# Altium PCB RT_SUPER_C__HOST.pcbdoc (continued)
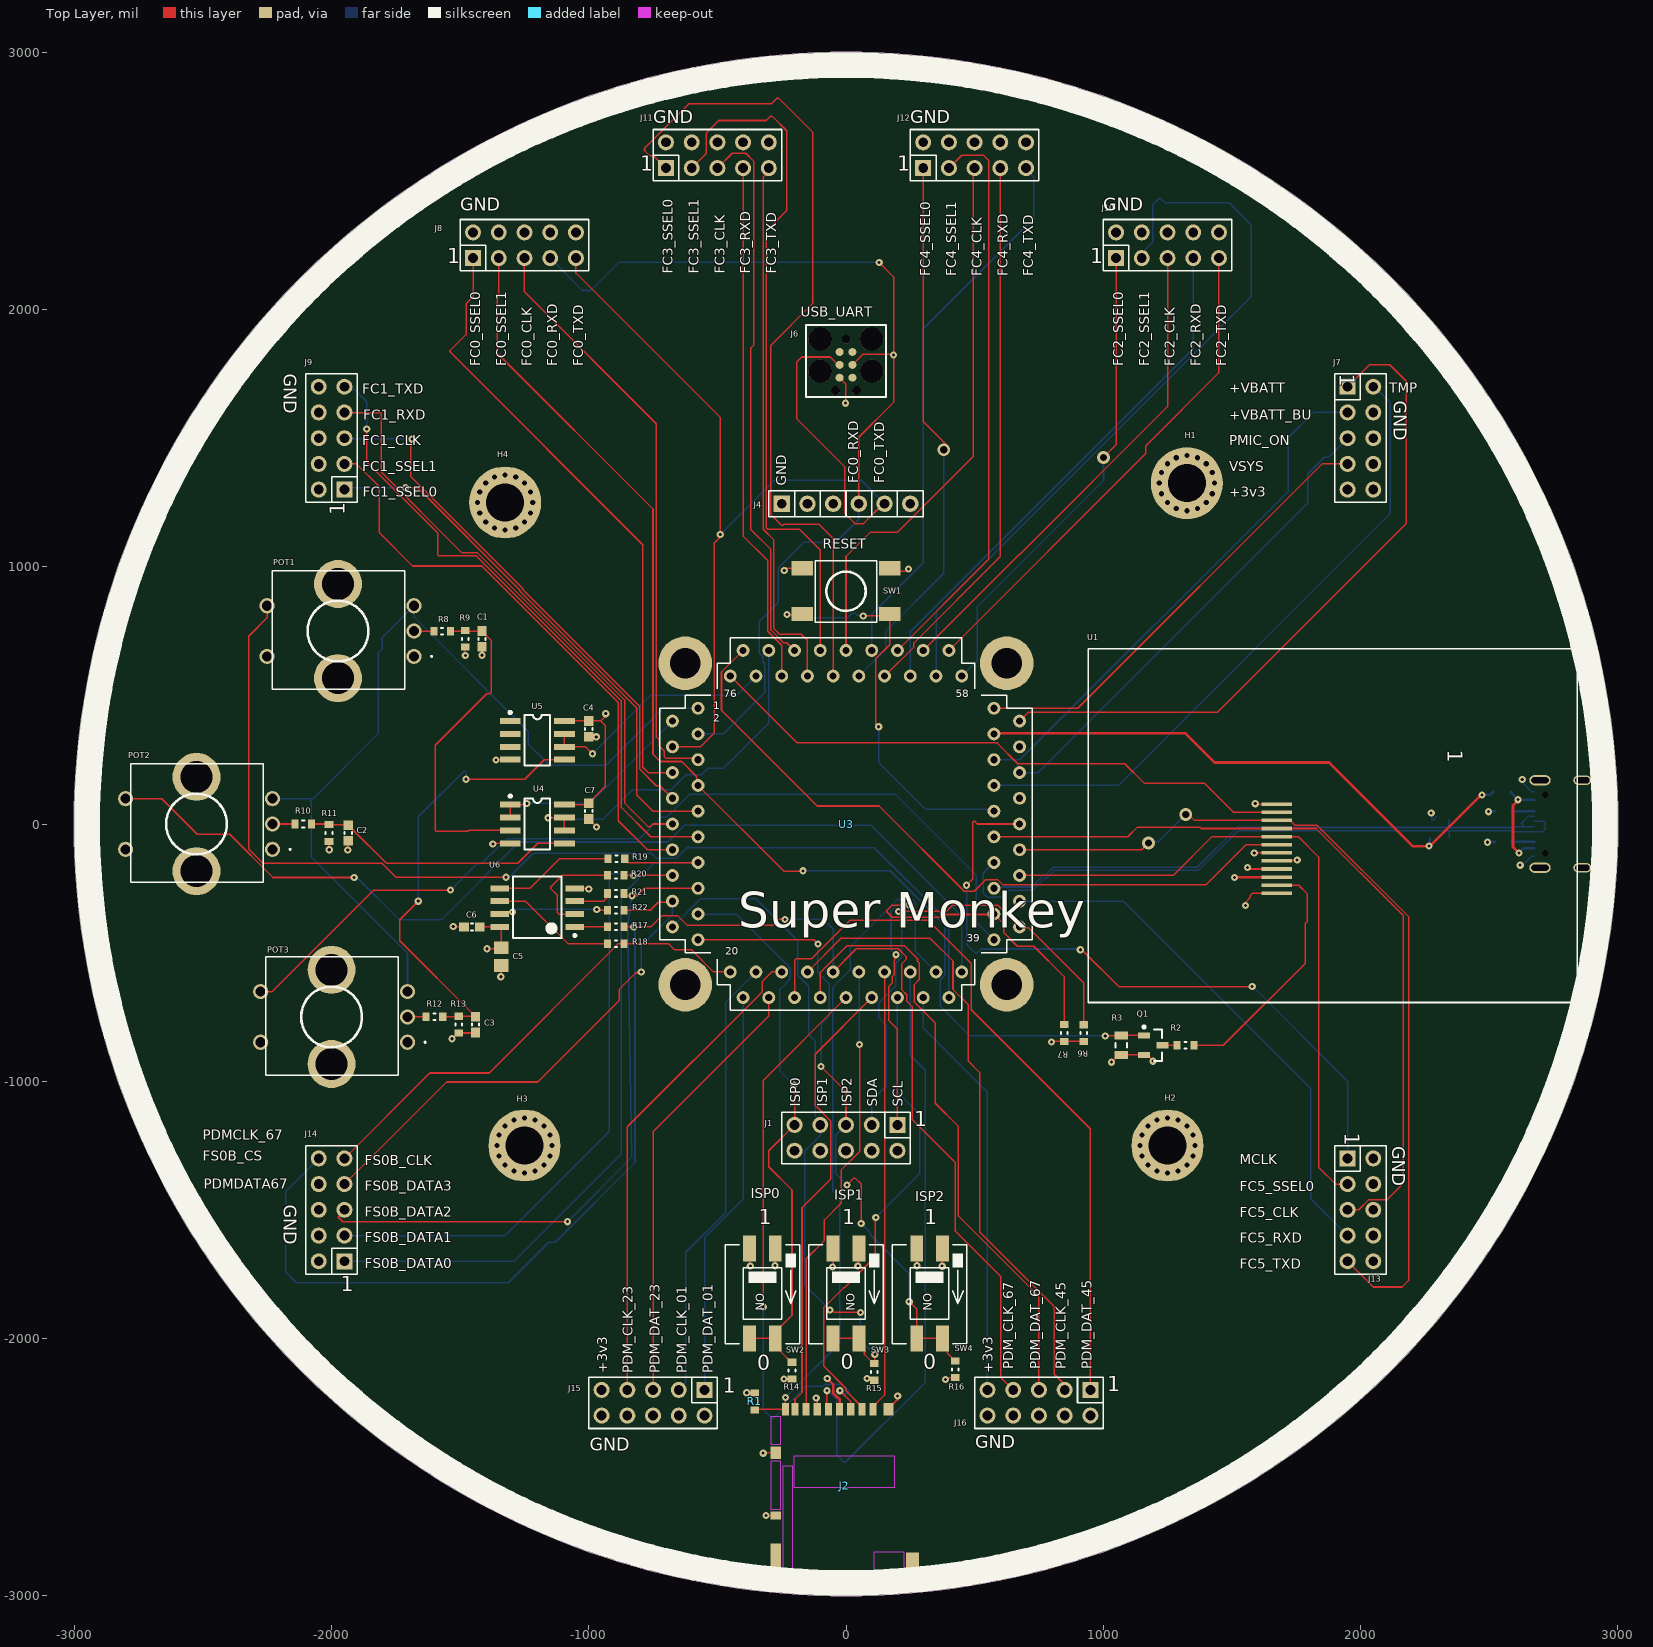
[diagram p0: Top Layer view]
## Nets (pads, with @x,y where several pads share a name; then routed paths per layer and width w, separated by ;. In a path a pad name is that pad's centre, name@x,y a point inside that pad or via, vN(x,y) a via of type N, cw(c..) or ccw(c..) an arc to the next point about the centre after c; other vN are vias at no path point)
+3v3: C5.2 C6.2 J2.4 J7.9 J15.9 R1.2 R6.1 R7.1 R14.2 R15.2 R16.2 U1.4 U3.50 U6.8 | length 9056.3
  Top Layer w6: C6.2 -1348.81,-400 -1340,-408.81 C5.2 -1343.9,-485 v1(-1396,-485) ; v1(387,-2160) 392.95,-2160 400.47,-2152.48 R16.2 ; v1(799,-847) 801,-845 R7.1 924.52,-845 R6.1 ; v1(1561,-169) 1564,-169 1570,-175 U1.4
  Top Layer w10: v1(-386,-2211) -384.48,-2212.52 R1.2 ; v1(-241,-2158) -238,-2158 -237.48,-2157.48 R14.2 ; v1(-73,-2156) -49,-2180 -49,-2213.36 -34.36,-2228 -33.38,-2228 -25,-2236.38 J2.4 ; v1(82,-2156) 85.24,-2159.24 106.76,-2159.24 R15.2
  GND-SIG1 w6: v1(82,-2156) 84,-2158 385,-2158 v1(387,-2160) 799,-1748 799,-169 ; U3.50 799,-24 799,-169 ; J7.9 1950,217.47 1590.36,-142.17 1587.83,-142.17 v1(1561,-169) 799,-169
  GND-SIG1 w10: v1(-1396,-485) -1495,-584 -1495,-1655 J15.9 -832,-2082 -515,-2082 v1(-386,-2211) -294,-2211 v1(-241,-2158) -240,-2157 -74,-2157 v1(-73,-2156) v1(82,-2156)
+5vUSB: J7.7 L1.2 U1.3 U2.4 U3.55 U3.57 | length 5398.6
  Top Layer w6: U3.57 901,450 1851,1400 J7.7
  Top Layer w10: U3.55 577,352 1320,352 1433,239 1878,239 2203,-86 v1(2267,-86) 2270,-86 2469,113 v1(2472,113) ; v1(1510,-208) 1511.5,-206.5 U1.3
  GND-SIG1 w10: v1(1510,-208) 2203,-208 2435,24 2435,76 v1(2472,113)
  GND-SIG1 w20: U3.55 U3.57
  Bottom Layer w10: v1(2267,-86) 2269,-84 U2.4 ; v1(2472,113) 2503.55,113 L1.2
+ADC_VREF: C4.2 C7.2 POT1.3 POT2.3 POT3.3 U3.1 U4.8 U5.8 | length 4483.8
  Top Layer w6: U4.8 -1005.51,75 C7.2 -1000,81.5 -936,145.5 -936,383 -953.51,400.51 ; U5.8 -1094.17,400.51 C4.2 -953.51,400.51 ; v1(-934,429) -934,420.02 -953.51,400.51
  GND-SIG1 w6: v1(-934,429) -913,450 U3.1
  Bottom Layer w6: POT2.3 -2089.94,98.43 ; POT3.3 -1704.72,-502.28 -2079,-128 -2079,87.49 -2089.94,98.43 ; U3.1 -711,450 -933,228 -1152,228 -1236,312 -1236,360.76 -1679.72,804.49 POT1.3 -1803,725.15 -1803,680 -1819,664 -1819,352 -2072.57,98.43 -2089.94,98.43
+VBATT: J7.1 U3.56 | length 2663.8
  Top Layer w6: U3.56 709,434 1444,434 2178,1168 2178,1721 2114,1785 2035,1785 J7.1
+VBATT_BU: J7.3 U3.53 | length 2056.6
  Bottom Layer w6: U3.53 675.91,250 1719,1293.09 1719,1502 1817,1600 J7.3
+VUSB_RAW: J5.A4B9 J5.B4A9 L1.1 | length 397.3
  Top Layer w10: v1(2612.01,94.49) 2612.01,91.49 2593,72.48 2593,-90 v1(2616,-113)
  Bottom Layer w10: L1.1 2584.45,122.05 v1(2612.01,94.49) J5.A4B9 ; v1(2616,-113) 2634.51,-94.49 J5.B4A9
FC0_CLK: J8.5 U3.5 | length 2300.6
  Top Layer w6: J8.5 -1250,2069 -737.49,1556.49 -737.49,997.51 -738.33,996.67 -738.33,340 -726.33,328 -726.33,303.25 -707,283.92 -707,262 -700,255 -580,255 U3.5
FC0_RXD: J4.4 J6.4 J8.7 U3.3 | length 3872.7
  Top Layer w6: J6.4 66,1826 182,1826 v1(185,1823) ; J4.4 50,1504 185,1639 v1(185,1823) ; v1(129,2183) 185,2127 v1(185,1823)
  Bottom Layer w6: J8.7 -1024,2074 -993,2074 -884,2183 v1(129,2183) ; U3.3 -477,350 -316,511 -316,623 -324,631 -324,650.92 -337,663.92 -337,787 -263,861 -263,995.53 -163.53,1095 -40,1095 50,1185 J4.4
FC0_SSEL0: J8.1 U3.6 | length 2450.2
  Top Layer w6: J8.1 -1450,2050 -1477,2023 -1477,1903 -1539.51,1840.49 -1539.51,1835.51 -790,1086 -790,221 -769,200 U3.6
FC0_SSEL1: J8.3 Q1.1 R3.1 U3.7 | length 4774.1
  Top Layer w6: J8.3 -1350,2058 -1356,2052 -1356,1830 -750.33,1224.33 -750.33,270.85 -722.49,243 -639,243 -580,184 -580,155 U3.7 -242,-183 -168,-183 v1(-167,-182) ; v1(1008,-824) 1067.61,-824 R3.1 1158.15,-821.61 Q1.1
  Bottom Layer w6: v1(-167,-182) 172,-182 384,-394 384,-589.08 366,-607.08 366,-708 482,-824 v1(1008,-824)
FC0_TXD: J4.5 J6.3 J8.9 U3.4 | length 4102.5
  Top Layer w6: J8.9 -1050,2142 -488,1580 -488,1125 -493.21,1119.79 -493.21,1111.79 -511.67,1093.33 -511.67,354.33 -566,300 U3.4 ; J6.3 -25,1779 -61.51,1815.51 -172.49,1815.51 -191,1797 -191,1575 -4,1388 -4,1207 35,1168 68,1168 145,1245 J4.5
  Bottom Layer w6: v1(-489,1125) -278,1336 59,1336 J4.5
FC1_CLK: J9.5 U3.8 | length 2091.8
  Top Layer w6: v1(-1687,1496) -1691.21,1491.79 -1691.21,1473.79 -1692,1473 -1692,1350.97 -1256,914.97 -1256,911 -802,457 -802,213.6 -737.51,149.11 -724.11,149.11 U3.8
  Bottom Layer w6: J9.5 -1948,1498 -1689,1498 v1(-1687,1496)
FC1_RXD: J9.7 U3.10 | length 2316.1
  Top Layer w6: J9.7 -1948,1598 -1807,1598 -1807,1368.47 -1492.53,1054 -1432.94,1054 -861,482.06 -861,82 -767.49,-11.51 -762.51,-11.51 -751,0 U3.10
FC1_SSEL0: J9.1 U3.9 | length 2098.9
  Top Layer w6: v1(-1713,1307) -1665,1307 -1268,910 -1268,906.03 -814,452.03 -814,114 -750,50 U3.9
  Bottom Layer w6: J9.1 -1943,1307 v1(-1713,1307)
FC1_SSEL1: J9.3 U3.12 | length 2270.1
  Top Layer w6: J9.3 -1903,1400 -1815,1312 -1815,1133 -1685,1003 -1415.88,1003 -885,472.12 -885,13 -772,-100 U3.12
FC1_TXD: J9.9 U3.11 | length 2529.6
  Top Layer w6: v1(-1863,1536) -1863,1407.5 -1587,1131.5 -1587,1045.51 -1583.49,1042 -1437.91,1042 -873,477.09 -873,64 -759,-50 U3.11
  Bottom Layer w6: J9.9 -1939.28,1689.28 -1910.28,1689.28 -1863,1642 v1(-1863,1536)
FC2_CLK: J10.5 U3.61 | length 1919.6
  Top Layer w6: U3.61 674.08,1049.08 675.99,1049.08 1250,1623.09 J10.5
FC2_RXD: J10.7 U3.62 | length 2080.6
  Bottom Layer w6: U3.62 250,747.54 1350,1847.54 J10.7
FC2_SSEL0: J10.1 U3.58 | length 1873.5
  Top Layer w6: v2(1001,1425) 1050,1474 J10.1
  Bottom Layer w6: U3.58 509.67,634.67 509.67,843.67 1001,1335 v2(1001,1425)
FC2_SSEL1: J10.3 U3.60 | length 2949.8
  Bottom Layer w6: U3.60 350,824.91 1575,2049.91 1575,2330 1490,2415 1240,2415 1224.14,2430.86 1215.86,2430.86 1192,2407 1192,2262 1130,2200 J10.3
FC2_TXD: J10.9 U3.59 | length 1959.9
  Top Layer w6: U3.59 1165,1440 1165,1470 1450,1755 J10.9
FC3_CLK: J11.5 U3.71 | length 2163.3
  Top Layer w6: J11.5 -442,2608 -390,2608 -358,2576 -358,1862.2 -370,1850.2 -370,1145 -292,1067 -292,754.03 -242.97,705 -230,705 U3.71
FC3_RXD: J11.7 U3.72 | length 2037.1
  Top Layer w6: J11.7 -400,1120 -304,1024 -304,749.06 -250,695.06 U3.72
FC3_SSEL0: J11.1 U3.68 | length 3282.1
  Top Layer w6: J11.1 -747.18,2597.18 -762.18,2597.18 -783.36,2618.36 -783.36,2626.64 -610,2800 -290,2800 -269.14,2820.86 -260.86,2820.86 -130,2690 -130,2023.17 -293,1860.17 -293,1203.34 -250.66,1161 -245,1161 -241,1165 -105,1165 -50,1110 U3.68
FC3_SSEL1: J11.3 U3.69 | length 2736
  Top Layer w6: J11.3 -542.53,2607.47 -542.53,2687.47 -495,2735 -310,2735 -294.14,2750.86 -285.86,2750.86 -230,2695 -230,2385 -310,2305 -310,1150.86 -304.14,1145 -180,1145 -100,1065 U3.69
FC3_TXD: J11.9 U3.70 | length 2105.1
  Top Layer w6: J11.9 -300,2537.43 -322,2515.43 -322,1145.89 -280,1103.89 -280,759 -259,738 -174,738 -150,714 U3.70
FC4_CLK: J12.5 U3.67 | length 2144.1
  Top Layer w6: U3.67 0,1040 95,1135 200.81,1135 495,1429.19 495,2545 J12.5
FC4_RXD: J12.7 U3.64 | length 2161.9
  Top Layer w6: U3.64 150.91,575 264,688.09 264,704 600,1040 J12.7
FC4_SSEL0: J12.1 U3.66 | length 2153.6
  Top Layer w6: J12.1 300,1565 390,1475 380,1465 v2(380,1455)
  Bottom Layer w6: U3.66 50.91,575 155,679.09 155,750 380,975 v2(380,1455)
FC4_SSEL1: J12.3 U3.63 | length 2235.5
  Top Layer w6: U3.63 555,1030 555,2579.14 534.14,2600 450,2600 J12.3
FC4_TXD: J12.9 U3.65 | length 2148.4
  Bottom Layer w6: U3.65 100,815.47 300,1015.47 300,1925 730,2355 730,2514.95 700,2544.95 J12.9
FC5_CLK: J13.5 U1.9 U3.47 | length 3049.5
  Top Layer w6: U3.47 1095,-50 1133,-12 1375.16,-12 1380.68,-17.52 U1.9 1827.52,-17.52 2166,-356 2166,-1398 2104,-1460 2033.43,-1460 1993.43,-1500 J13.5
FC5_RXD: J13.7 U3.42 | length 2064.8
  Bottom Layer w6: U3.42 1079,-300 1807,-1028 1807,-1457 J13.7
FC5_SSEL0: J13.3 U1.8 U3.44 | length 2603.6
  Top Layer w6: U3.44 1272,-200 1422.98,-49.02 U1.8 1675.98,-50 1759,-50 1837,-128 1837,-1334 1903,-1400 J13.3
FC5_TXD: J13.9 U1.10 U3.46 | length 3436.9
  Top Layer w6: U3.46 1150,-100 v2(1176,-74) ; v2(1321,37) 1331.52,37 1354.54,13.98 1727.17,13.98 1746.66,-5.52 1832.49,-5.52 2187,-360.03 2187,-1775 2162,-1800 2050,-1800 J13.9
  Bottom Layer w6: v2(1176,-74) 1182,-68 1216,-68 v2(1321,37)
FS0B_CLK: J14.9 R18.1 U3.20 | length 1892.1
  Top Layer w6: J14.9 -1618,-968 -1387.24,-968 -897.64,-478.4 -897.64,-477.34 -885.3,-465 R18.1 -691,-465 -668,-488 -601.73,-488 -514.73,-575 U3.20
FS0B_CS: J14.10 J16.7 R17.1 U3.28 | length 6224
  Top Layer w6: R17.1 v1(-825,-400) -759,-400 -715,-356 -655,-356 -618,-393 -293,-393 -291.49,-394.51 -286.51,-394.51 -263,-371 v1(-237,-371) ; U3.28 40,-485 203.53,-485 233.46,-514.93 233.46,-526.49 216,-543.95 216,-642.92 236.5,-663.42 236.5,-688.5 257,-709 257,-1148 425,-1316 425,-1582 601,-1758 601,-2151 J16.7
  Bottom Layer w6: J14.10 -2177.51,-1427.51 -2177.51,-1742.49 -2137,-1783 -1313,-1783 -1156,-1626 -1130.47,-1626 -820.26,-1315.79 -820.26,-410.69 -825,-405.95 v1(-825,-400) ; v1(-237,-371) -88,-371 -50,-409 U3.28
FS0B_DATA0: J14.1 R19.1 U3.13 | length 2897.5
  Top Layer w6: R19.1 -860.04,-137.95 -847.99,-150 U3.13
  Bottom Layer w6: J14.1 -1291,-1700 -873,-1282 -873,-279.05 -743.95,-150 U3.13
FS0B_DATA1: J14.3 R20.1 U3.14 | length 2480.4
  Top Layer w6: R20.1 U3.14
  Bottom Layer w6: J14.3 -1325,-1600 -920,-1195 -920,-197.51 -916.49,-194 -877.22,-194 -871.46,-199.76 v1(-826.24,-199.76)
FS0B_DATA2: J14.5 R21.1 U3.15 | length 2611
  Top Layer w6: J14.5 -1950,-1504.97 -1973.51,-1528.49 -1956,-1546 v1(-1083,-1546) ; R21.1 -853.52,-279 v1(-832.26,-279) -811,-279 -782,-250 U3.15
  Bottom Layer w6: v1(-1083,-1546) -834.02,-1297.02 ccw(c-838.26,-1292.77) -832.26,-1292.67 -848,-400.41 cw(c-825,-400) -847.8,-397 v1(-832.26,-279)
FS0B_DATA3: J14.7 R22.1 U3.16 | length 2048.6
  Top Layer w6: J14.7 -1553,-1003 -1198,-1003 -882,-687 -882,-643 -818.21,-579.21 -800.21,-579.21 v1(-796,-575) ; R22.1 -761,-335 -730,-304 -679,-304 U3.16
  Bottom Layer w6: v1(-796,-575) -796,-472.92 -675,-351.92 U3.16
GND: C1.1 C2.1 C3.1 C4.1 C5.1 C6.1 C7.1 J1.2 J1.4 J1.6 J1.8 J1.10 J2.6 J2.CDA J2.M J4.1 J5.A1B12 J5.B1A12 J5.M1 J5.M2 J5.M3 J5.M4 J6.5 J7.4 J7.6 J7.8 J7.10 J8.2 J8.4 J8.6 J8.8 J8.10 J9.2 J9.4 J9.6 J9.8 J9.10 J10.2 J10.4 J10.6 J10.8 J10.10 J11.2 J11.4 J11.6 J11.8 J11.10 J12.2 J12.4 J12.6 J12.8 J12.10 J13.2 J13.4 J13.6 J13.8 J13.10 J14.2 J14.4 J14.6 J15.2 J15.4 J15.6 J15.8 J15.10 J16.2 J16.4 J16.6 J16.8 J16.10 POT1.1 POT1.4 POT2.1 POT2.4 POT3.1 POT3.4 Q1.2 R3.2 R4.1 R5.1 R9.1 R11.1 R13.1 SW1.A SW2.2 SW2.4 SW3.2 SW3.4 SW4.2 SW4.4 U1.1 U1.5 U1.6 U1.12 U2.1 U3.54 U3.M U4.4 U5.4 U6.4 | length 2453.9
  Top Layer w6: R11.1 -2010,-99 v1(-2009,-100) ; v1(-1937,-101) -1935,-99 C2.1 ; v1(-1532,-835) -1530.47,-835 -1507.95,-812.48 R13.1 -1441.97,-812.48 C3.1 ; v1(-1527,-398) -1525,-398 -1523,-400 C6.1 ; v1(-1480,655) -1481,656 -1481,686.52 R9.1 ; v1(-1415,656) C1.1 ; v1(-1373,-78) -1370,-75 U4.4 ; v1(-1361,249) -1357,249 -1356,250 U5.4 ; v1(-1342,-594) -1340,-592 C5.1 ; U6.4 -1003,-250 v1(-1000,-253) ; C7.1 -1000,18.5 -971,-10.5 -971,-11 v1(-970,-12) ; C4.1 -969,339.49 -969,339 v1(-971,339) ; SW2.4 -375,-1715 v1(-372,-1718) ; v1(-322,-2446) -319,-2446 -317.29,-2444.29 J2.M@-273.03,-2444.29 ; v1(-311,-2688) -310.61,-2688.39 J2.CDA ; v1(-276,-2933) -273.03,-2930.03 J2.M@-273.03,-2851.77 ; v1(-276,-1717) -276,-1715 -275,-1714 SW2.2 ; v1(-240,986) -232,994 SW1.A@-170,994 ; v1(-116,-2231) -111.61,-2235.39 J2.6 ; v1(-52,-1722) -50,-1720 SW3.4 ; J6.5 -1,1711 -1,1637 v1(-2,1636) ; v1(46,-1718) 50,-1714 SW3.2 ; J2.M@165.94,-2275 165.94,-2271.06 201,-2236.01 v1(201,-2224) ; SW1.A@170,994 182,982 239.49,982 243,985.51 v1(243,991) ; v1(254,-2932) 253,-2931 253,-2874.95 J2.M@258.46,-2869.49 ; SW4.4 275,-1715 276,-1716 v1(276,-1717) ; v1(374,-1719) 375,-1718 SW4.2 ; v1(1032,-926) 1032.54,-926 1060.16,-898.39 R3.2 1070.98,-897.4 Q1.2 1170.95,-897.4 1194,-920.46 v1(1194,-922) ; v1(1553,-317) 1553,-305.09 1570.97,-287.13 1570.97,-279.04 1580.51,-269.49 U1.1 ; v1(1587,-113) 1588,-113 1588.99,-112.01 U1.6 ; v1(1591,79) 1593.03,76.97 U1.12 ; U1.5 1750.5,-143.5 v1(1754,-140)
  Bottom Layer w6: v1(2275,43) 2276.87,41.13 U2.1 2282.78,16.8 U2.1@2295.53,29.55 ; v1(2621,-160) 2623,-158 2632.09,-158 2664.11,-125.98 J5.B1A12 ; v1(2629,173) 2629,161.09 2664.11,125.98 J5.A1B12
  Bottom Layer w10: v1(2494,-71) 2495,-70 R4.1 ; v1(2498,48) 2500,50 R5.1
ISP0: J1.9 R14.1 SW2.1 SW2.3 U3.17 | length 2253.3
  Top Layer w6: SW2.3 SW2.1 ; R14.1 -212.95,-2092.52 -253,-2052.47 -253,-2022 SW2.1 ; v1(-202,-1015) -200,-1017 J1.9 -300.51,-1270.51 -300.51,-1332.49 -210,-1423 -210,-1910 -275,-1975 SW2.1
  Bottom Layer w6: U3.17 -426.92,-350 -216,-560.92 -216,-602 -257,-643 -257,-960 v1(-202,-1015)
ISP1: J1.7 R15.1 SW3.1 SW3.3 U3.18 | length 2705.9
  Top Layer w6: v1(-63,-1889) -59,-1893 -52,-1893 -46,-1899 v1(56,-1899) ; SW3.3 SW3.1 72,-2022 72,-2062.47 107.05,-2097.52 R15.1 112,-2095.52 v1(112,-2062)
  Bottom Layer w6: U3.18 -566,-291 -351,-291 -188,-454 -188,-588 -145,-631 -145,-819 -120,-844 -120,-1134.85 -100,-1154.85 J1.7 -100,-1211 -160,-1271 -160,-1792 v1(-63,-1889) ; v1(56,-1899) 56,-2006 v1(112,-2062)
ISP2: J1.5 R16.1 SW4.1 SW4.3 U3.19 | length 2490.4
  Top Layer w6: U3.19 -125.53,-450 -109.53,-466 v1(-109,-466) ; v1(-97,-943) 0,-1040 J1.5 ; v1(4,-1403) 30.51,-1376.49 35.49,-1376.49 59,-1400 v1(59,-1553) ; v1(246,-1857) 275,-1886 SW4.3 SW4.1 392.97,-2017.97 392.97,-2055.49 411.27,-2073.79 411.27,-2076.74 422.05,-2087.52 R16.1
  Bottom Layer w6: v1(-109,-466) -109,-578 -66,-621 -66,-748 -97,-779 v1(-97,-943) ; J1.5 -40,-1210 -40,-1359 v1(4,-1403) ; v1(59,-1553) 94,-1588 94,-1597 246,-1749 v1(246,-1857)
LCD_DISP: U1.11 U3.76 | length 2346.1
  Top Layer w6: U3.76 -191,316 589.08,316 589.08,312.92 668,234 1084,234 1159,159 1393,159 1506.53,45.47 U1.11
LCD_EXTCOM: U1.7 U3.75 | length 2810.1
  Top Layer w6: U3.75 -484,591 -484,442 -112,70 128.47,70 459.47,-261 498.56,-261 543.56,-216 589.08,-216 610.08,-237 1399,-237 1555.49,-80.51 U1.7
MCLK: J13.1 U3.48 | length 2688.8
  Top Layer w6: v1(469,-238) 492,-215 492,7 495.51,10.51 500.49,10.51 511,0 U3.48 ; v1(911,-489) 911.51,-488.49 916.49,-488.49 1060,-632 v1(1579,-632)
  Bottom Layer w6: v1(469,-238) 469,-468 503.51,-502.51 508.49,-502.51 525,-486 908,-486 v1(911,-489) ; v1(1579,-632) 1582,-632 1950,-1000 J13.1
NetC1_2: C1.2 R8.2 R9.2 U4.3 | length 1304.4
  Top Layer w6: R8.2 C1.2@-1415.51,750 ; C1.2 -1415,749.53 -1380,714.53 -1380,509.51 -1383.51,506 -1397,506 -1597,306 -1597,-25 -1593.49,-28.51 -1469.83,-28.51 -1466.32,-25 U4.3
NetC2_2: C2.2 R10.2 R11.2 U4.5 | length 1079.1
  Top Layer w6: R10.2 -2012.52,0 R11.2 -1936.97,-2.52 C2.2 -1935,-5.47 -1920.28,-20.19 -1919.3,-20.19 -1786.49,-153 -1276,-153 -1198,-75 U4.5
NetC3_2: C3.2 R12.2 R13.2 U5.5 | length 1761.6
  Top Layer w6: v1(-1663,-300) -1735,-372 -1735,-453.5 -1440,-748.5 C3.2 -1441.97,-747.52 R13.2 -1507.48,-750 R12.2 ; v1(-1477,174) -1249,174 -1173,250 U5.5
  Bottom Layer w6: v1(-1663,-300) -1663,28 -1485.49,205.51 -1480.51,205.51 -1477,202 v1(-1477,174)
NetJ5_A5: J5.A5 R5.2 | length 87.3
  Bottom Layer w10: R5.2 2589.27,49.21 J5.A5
NetJ5_B5: J5.B5 R4.2 | length 88.4
  Bottom Layer w10: R4.2 2588.58,-68.9 J5.B5
NetPOT1_2: POT1.2 R8.1 | length 77.2
  Top Layer w6: POT1.2 R8.1
NetPOT2_2: POT2.2 R10.1 | length 87.2
  Top Layer w6: POT2.2 R10.1
NetPOT3_2: POT3.2 R12.1 | length 72.2
  Top Layer w6: POT3.2 R12.1
NetQ1_3: Q1.3 R2.1 | length 57.5
  Top Layer w6: Q1.3 R2.1
NetR2_2: R2.2 U1.2 | length 971.1
  Top Layer w6: R2.2 1467,-860 1786,-541 1786,-386 1794,-378 1794,-272 1759.99,-237.99 U1.2
NetR17_2: R17.2 U6.1 | length 126.9
  Top Layer w6: U6.1 R17.2
NetR18_2: R18.2 U6.6 | length 486.5
  Top Layer w6: U6.6 -1246,-300 -1081,-465 R18.2
NetR19_2: R19.2 U6.5 | length 468.3
  Top Layer w6: U6.5 -1229,-250 -1114,-135 R19.2
NetR20_2: R20.2 U6.2 | length 419.5
  Top Layer w6: U6.2 -1116,-350 -1123,-343 -1123,-276 -1148.51,-250.49 -1148.51,-245.51 -1103,-200 R20.2
NetR21_2: R21.2 U6.3 | length 152.7
  Top Layer w6: U6.3 -943,-300 -921.49,-278.49 -921.49,-276 R21.2
NetR22_2: R22.2 U6.7 | length 426.9
  Top Layer w6: U6.7 -1337.67,-342 v1(-1297,-342) ; v1(-969,-332) -966,-335 R22.2
  Bottom Layer w6: v1(-1297,-342) -1287,-332 v1(-969,-332)
PDM_CLK_01: J15.3 U3.22 | length 1749.3
  Bottom Layer w6: J15.3 -650,-2197.43 -623,-2170.43 -623,-1665 -467,-1509 -467,-692 U3.22
PDM_CLK_23: J15.7 U3.24 | length 1896.4
  Top Layer w6: J15.7 -850,-1176.92 -326,-652.92 -326,-612 -289,-575 U3.24
PDM_CLK_45: J16.3 U3.26 | length 2537.9
  Top Layer w6: U3.26 -19,-444 327,-444 416,-533 416,-642.92 475,-701.92 475,-921.76 519.27,-966.03 519.27,-1585.27 810,-1876 810,-2139 872.51,-2201.51 851.51,-2201.51 J16.3
PDM_DAT_01: J15.1 U3.21 | length 1587.1
  Bottom Layer w6: J15.1 -550,-1608.97 -400,-1458.97 U3.21
PDM_DAT_23: J15.5 U3.23 | length 1711.4
  Top Layer w6: J15.5 -750,-1196 -300,-746 U3.23
PDM_DAT_45: J16.1 U3.25 | length 2816.2
  Top Layer w6: U3.25 -200,-528.51 -194.49,-523 -133.47,-523 14.76,-374.76 319.76,-374.76 487,-542 487,-722 950,-1185 J16.1
PDM_DAT_67: J16.5 U3.27 | length 2426.7
  Top Layer w6: U3.27 -100,-576.92 3.92,-473 226.97,-473 278,-524.03 278,-533.97 284,-539.97 284,-605.53 266,-623.53 266,-692.92 347,-773.92 347,-1086 437,-1176 437,-1523.92 750,-1836.92 J16.5
PDM_DATA_67: J14.8
PIO2_10: J16.9 U3.35 | length 1628.6
  Bottom Layer w6: U3.35 300,-793 550,-1043 J16.9
PMIC_ON: J7.5 U3.52 | length 1880.3
  Bottom Layer w6: U3.52 747,200 1795,1248 1795,1362 1859.03,1426.03 1876.03,1426.03 J7.5
POT1: U3.2 U4.1 U4.2 | length 814.9
  Top Layer w6: U4.2 U4.1 -1246,75 v1(-1241,80)
  Bottom Layer w6: v1(-1241,80) -995,80 U3.2
POT2: U3.73 U4.6 U4.7 | length 1413.5
  Top Layer w6: v1(-1159,24) -1095.68,24 U4.7 U4.6
  Bottom Layer w6: v1(-1159,24) -1102,24 -1096,18 -945.5,18 -829.5,134 -679,134 -621,192 -561,192 -536,217 -476,217 -300,393 U3.73
POT3: U3.74 U5.6 U5.7 | length 938
  Top Layer w6: U5.7 U5.6 -1013,300 v1(-986,273)
  Bottom Layer w6: v1(-986,273) -758,501 -424,501 U3.74 U3.74@-355,580
POT_SW1: POT1.5 U3.37 | length 4221.6
  Top Layer w6: POT1.5 -2250.59,801.44 -2322.01,730.01 -2322.01,-97.01 -2267.03,-152 -1804.46,-152 -1749.46,-207 v1(-1322,-207)
  Bottom Layer w6: v1(-1322,-207) -1320,-209 -1311,-209 -1216,-114 -757,-114 -737,-134 -660,-134 -618,-92 110,-92 400,-382 U3.37
POT_SW2: POT2.5 U3.38 | length 3964
  Top Layer w6: POT2.5 -2660.33,98.43 -2521.9,-40 -2396,-40 -2228,-208 v1(-1912,-208)
  Bottom Layer w6: v1(-1912,-208) -1908.99,-204.99 -1904.01,-204.99 -1736,-373 -1575,-373 -1272,-70 -693.08,-70 -628.08,-5 97,-5 450,-358 U3.38
POT_SW3: POT3.5 U3.39 | length 3508.8
  Top Layer w6: POT3.5 -2230.57,-651.57 -1836,-257 v1(-1537,-257)
  Bottom Layer w6: v1(-1537,-257) -1435.4,-155.4 -1417.87,-155.4 -1320.47,-58 -804,-58 -719,27 -696.08,27 -608.08,115 192,115 507,-200 507,-382 U3.39
RST: SW1.B U3.49 | length 1608.5
  Top Layer w6: v1(-229,814) -172,814 SW1.B@-170,816 ; v1(67,809) 163,809 170,816 170,696.92 116,642.92 116,389 v1(127,378)
  Bottom Layer w6: v1(-229,814) -223.05,814 -210.05,801 5,801 22.51,818.51 37.02,818.51 44,811.54 64.46,811.54 v1(67,809) ; v1(127,378) 127,239 309,57 568,57 U3.49
SD_CD: J2.CDB R1.1 U3.36 | length 2683.5
  Top Layer w6: R1.1 -352.52,-2275 J2.CDB -235.63,-2233.63 -235,-2233 v1(-235,-2230)
  Bottom Layer w6: v1(-235,-2230) -24,-2019 -24,-1454 -52,-1426 -52,-636 16,-568 16,-478.03 202.03,-292 255.53,-292 269,-305.47 269,-494 U3.36
SD_CLK: J2.5 U3.34 | length 2447.5
  Top Layer w6: v1(-74,-2203) -74,-2269.31 J2.5
  Bottom Layer w6: v1(-74,-2203) -69,-2203 -36.14,-2235.86 -36.14,-2452.86 -7.49,-2481.51 -2.51,-2481.51 308,-2171 308,-957 250,-899 U3.34
SD_CMD: J2.3 U3.29 | length 2283.8
  Top Layer w6: v1(-322,-1878) -322,-997 U3.29 ; v1(-24,-2203) 18.31,-2245.31 J2.3
  Bottom Layer w6: v1(-322,-1878) -322,-2276 -286.49,-2311.51 -281.51,-2311.51 -155,-2185 -88.53,-2185 -82.53,-2179 -15,-2179 11,-2205 11,-2210.49 7.49,-2214 -7.05,-2214 -18.05,-2203 v1(-24,-2203)
SD_D0: J2.7 U3.30 | length 1787
  Top Layer w6: J2.7 -154.92,-1689.92 -84,-1619 -84,-1539 -19,-1474 -19,-1345.57 52.61,-1273.96 v1(52.61,-856.65)
  Bottom Layer w6: U3.30 51.3,-576.3 51.3,-855.35 v1(52.61,-856.65)
SD_D1: J2.8 U3.31 | length 1773.2
  Top Layer w6: J2.8 -198.23,-2237.23 -171,-2210 -171,-1492 -60,-1381 -60,-1153.43 -120,-1093.43 -120,-895 U3.31
SD_D2: J2.1 U3.32 | length 1718.7
  Top Layer w6: J2.1 104.92,-2265.16 150,-2220.08 U3.32
SD_D3: J2.2 U3.33 | length 1852.6
  Top Layer w6: J2.2 61.61,-2265.16 -1,-2202.54 -1,-2193.47 -86,-2108.47 -86,-1879.47 -10.03,-1803.5 -6.97,-1803.5 114,-1682.53 114,-1532 v1(116,-1530)
  Bottom Layer w6: v1(116,-1530) 286,-1360 286,-1128 200,-1042 U3.33
SYS_SCL: J1.1 R7.2 U3.41 | length 2059.9
  Top Layer w6: v1(194,-508) 189.79,-512.21 189.79,-528.21 188,-530 188,-585.08 180,-593.08 180,-618 166,-632 166,-764 200,-798 J1.1 ; v1(246,-315) 180,-315 158.49,-336.51 158.49,-341.49 179.76,-362.76 378.67,-362.76 389.67,-351.76 573.24,-351.76 U3.41 614,-389 614,-423 666,-475 730,-475 848,-593 R7.2
  Bottom Layer w6: v1(194,-508) 175,-489 175,-336 196,-315 v1(246,-315)
SYS_SDA: J1.3 R6.2 U3.40 | length 1926.3
  Top Layer w6: v1(203.76,-339.76) 389.7,-339.76 413.46,-316 591,-316 U3.40 678,-403 709,-403 925,-619 R6.2
  Bottom Layer w6: J1.3 100,-1074.97 157,-1017.97 157,-783 128,-754 128,-695.08 193,-630.08 193,-541.53 217,-517.53 217,-357.53 203.76,-344.29 v1(203.76,-339.76)
TEMP_SENSE: J7.2 U3.51 | length 2500.7
  Bottom Layer w6: U3.51 1058,150 2115,1207 2115,1640 2055,1700 J7.2
USB_N: J5.A7 J5.B7 U2.2 U3.43 | length 2310
  Bottom Layer w6: U3.43 580,-245 722,-245 769,-198 776,-198 805.49,-168.51 1365.51,-168.51 1520.34,-13.68 2343.87,-13.68 ; U2.2 2343.87,-13.68 ; J5.A7 2637.84,-9.84 ; J5.B7 2651.53,29.53 2625,3 2637.84,-9.84 ; 2343.87,-13.68 2588.15,-13.68 2592,-9.84 2637.84,-9.84
USB_P: J5.A6 J5.B6 U2.3 U3.45 | length 2536.6
  Bottom Layer w6: U3.45 533.49,-191.51 533.49,-268.49 549,-284 589.08,-284 591.08,-282 609.5,-282 634.5,-257 726.97,-257 730.49,-253.49 773.97,-210 780.97,-210 784.49,-206.49 810.46,-180.51 1370.49,-180.51 1374,-177 1525.32,-25.68 2345,-25.68 ; U2.3@2345,-53 2345,-25.68 ; J5.A6 2714.16,9.84 2718,6 2718,-20 2708.47,-29.53 J5.B6 2592,-29.53 2588.15,-25.68 2345,-25.68
pads on no net: H1.1 H2.1 H3.1 H4.1 J4.2 J4.3 J4.6 J5.71 J5.A8 J5.ALIGN1 J5.B8 J6.1 J6.2 J6.6 J6.A J6.B J6.C J6.D J6.E J6.F J6.G POT1.MH1 POT1.MH2 POT2.MH1 POT2.MH2 POT3.MH1 POT3.MH2 U5.1 U5.2 U5.3

## Polygon pours and split planes (outlines as drawn)
GND on GND-SIG2 "GND_L03_P000" (solid, remove dead copper, pour order 0): -3318,-3311 3856,-3311 3856,3547 -3318,3547 -3318,3292

## Keep-outs
Keep-Out Layer:
  the board outline again, w1

## Silkscreen, mask and mechanical layers (free items; w line width, h text height)
Top Overlay:
  circle w100: c0,0 r2950
  text "GND" at -750,2706.88 h85
  text "GND" at 250,2706.88 h85
  text "GND" at -1500,2366.88 h85
  text "GND" at 1000,2366.88 h85
  text "FC3_SSEL0" at -659.36,2140 h65 r90
  text "FC3_SSEL1" at -558.16,2140 h65 r90
  text "FC3_CLK" at -458.16,2140 h65 r90
  text "FC3_RXD" at -358.16,2140 h65 r90
  text "FC3_TXD" at -258.16,2140 h65 r90
  text "FC4_SSEL0" at 341.84,2130 h65 r90
  text "FC4_SSEL1" at 441.84,2130 h65 r90
  text "FC4_CLK" at 541.84,2130 h65 r90
  text "FC4_RXD" at 641.84,2130 h65 r90
  text "FC4_TXD" at 741.84,2130 h65 r90
  text "USB_UART" at -175,1958.16 h65
  text "FC0_SSEL0" at -1408.16,1780 h65 r90
  text "FC0_SSEL1" at -1308.16,1780 h65 r90
  text "FC0_CLK" at -1208.16,1780 h65 r90
  text "FC0_RXD" at -1108.16,1780 h65 r90
  text "FC0_TXD" at -1008.16,1780 h65 r90
  text "FC2_SSEL0" at 1091.84,1780 h65 r90
  text "FC2_SSEL1" at 1191.84,1780 h65 r90
  text "FC2_CLK" at 1291.84,1780 h65 r90
  text "FC2_RXD" at 1391.84,1780 h65 r90
  text "FC2_TXD" at 1491.84,1780 h65 r90
  text "GND" at -2203.12,1750 h85 r270
  text "+VBATT" at 1490,1663.53 h65
  text "TMP" at 2111.56,1663.16 h65
  text "FC1_TXD" at -1880.65,1658.16 h65
  text "GND" at 2111.88,1645 h85 r270
  text "FC1_RXD" at -1877.1,1558.16 h65
  text "+VBATT_BU" at 1490,1558.16 h65
  text "FC1_CLK" at -1880,1458.16 h65
  text "PMIC_ON" at 1490,1458.16 h65
  text "FC1_SSEL1" at -1880,1358.16 h65
  text "VSYS" at 1490,1358.16 h65
  text "FC0_RXD" at 61.84,1325 h65 r90
  text "FC0_TXD" at 161.84,1325 h65 r90
  text "GND" at -218.16,1315 h65 r90
  text "FC1_SSEL0" at -1878.39,1258.16 h65
  text "+3v3" at 1490,1258.16 h65
  text "RESET" at -90,1055.75 h65
  text "ISP0" at -165,-1100 h65 r90
  text "ISP1" at -60,-1100 h65 r90
  text "ISP2" at 35,-1100 h65 r90
  text "SDA" at 135,-1100 h65 r90
  text "SCL" at 235,-1100 h65 r90
  text "PDMCLK_67" at -2500,-1241.84 h65
  text "GND" at 2105.65,-1252.9 h85 r270
  text "FS0B_CS" at -2500,-1321.84 h65
  text "MCLK" at 1530,-1336.47 h65
  text "FS0B_CLK" at -1870,-1340 h65
  text "PDMDATA67" at -2497.61,-1431.84 h65
  text "FS0B_DATA3" at -1870,-1440 h65
  text "FC5_SSEL0" at 1531.61,-1441.84 h65
  text "ISP0" at -370,-1469.25 h65
  text "ISP1" at -45,-1474.25 h65
  text "ISP2" at 270,-1479.25 h65
  text "GND" at -2203.12,-1480 h85 r270
  text "FS0B_DATA2" at -1870,-1540 h65
  text "FC5_CLK" at 1530,-1541.84 h65
  text "1" at -340,-1575 h100
  text "1" at -15,-1575 h100
  text "1" at 305,-1575 h100
  text "FS0B_DATA1" at -1870,-1640 h65
  text "FC5_RXD" at 1530,-1641.84 h65
  text "FS0B_DATA0" at -1870,-1740 h65
  text "FC5_TXD" at 1530,-1741.84 h65
  text "PDM_CLK_67" at 663.54,-2120 h65 r90
  text "PDM_DAT_67" at 768.54,-2120 h65 r90
  text "PDM_CLK_45" at 868.54,-2120 h65 r90
  text "PDM_DAT_45" at 968.54,-2120 h65 r90
  text "+3v3" at -915,-2135 h65 r90
  text "PDM_CLK_23" at -815,-2135 h65 r90
  text "PDM_DAT_23" at -710,-2135 h65 r90
  text "PDM_CLK_01" at -605,-2135 h65 r90
  text "PDM_DAT_01" at -505,-2135 h65 r90
  text "+3v3" at 585,-2135 h65 r90
  text "0" at -20,-2138.89 h100
  text "0" at 300,-2138.89 h100
  text "0" at -345,-2143.89 h100
  text "GND" at 502.9,-2444.35 h85
  text "GND" at -997.1,-2454.35 h85
Bottom Overlay:
  circle w100: c0,-10 r2950
Board Outline:
  circle w10: c0,0 r3000.1

## Text inside footprints (layer, text, board x,y; h text height)
J1: Top Overlay "1" at 265,-1195 h100
J2: Mechanical 1 "LOCK" at -291.73,-2974.8 h9.84; Mechanical 1 "OVERSTROKE" at -349.8,-2944.29 h9.84; Mechanical 1 "CARD EJECT" at -345.87,-3132.28 h9.84
J7: Top Overlay "1" at 1900,1750 h100 r270
J8: Top Overlay "1" at -1550,2160 h100
J9: Top Overlay "1" at -1930,1200 h100 r90
J10: Top Overlay "1" at 950,2160 h100
J11: Top Overlay "1" at -800,2520 h100
J12: Top Overlay "1" at 200,2520 h100
J13: Top Overlay "1" at 1920,-1200 h100 r270
J14: Top Overlay "1" at -1965,-1835 h100
J15: Top Overlay "1" at -480,-2230 h100
J16: Top Overlay "1" at 1015,-2225 h100
SW2: Top Overlay "ON" at -350,-1825 h32 r270
SW3: Top Overlay "ON" at 0,-1825 h32 r270
SW4: Top Overlay "ON" at 300,-1825 h32 r270
U1: Top Overlay "1" at 2320,288.74 h100 r270
U3: Top Overlay "58" at 427,483 h50; Top Overlay "39" at 470,-468 h50; Top Overlay "76" at -475,484 h50; Top Overlay "20" at -470,-518 h50; Top Overlay "2" at -517,388 h50; Top Overlay "1" at -516,437 h50; Top Overlay "Super Monkey" at -418,-450 h236.22; Bottom Overlay "58" at 470,483 h50; Bottom Overlay "39" at 516,-470 h50; Bottom Overlay "76" at -429,484 h50; Bottom Overlay "20" at -428,-518 h50; Bottom Overlay "2" at -616,382 h50; Bottom Overlay "1" at -525,437 h50; Bottom Overlay "M" at 400,-200 h1181.1